# KiCad board CawDrive_panel.kicad_pcb (continued)
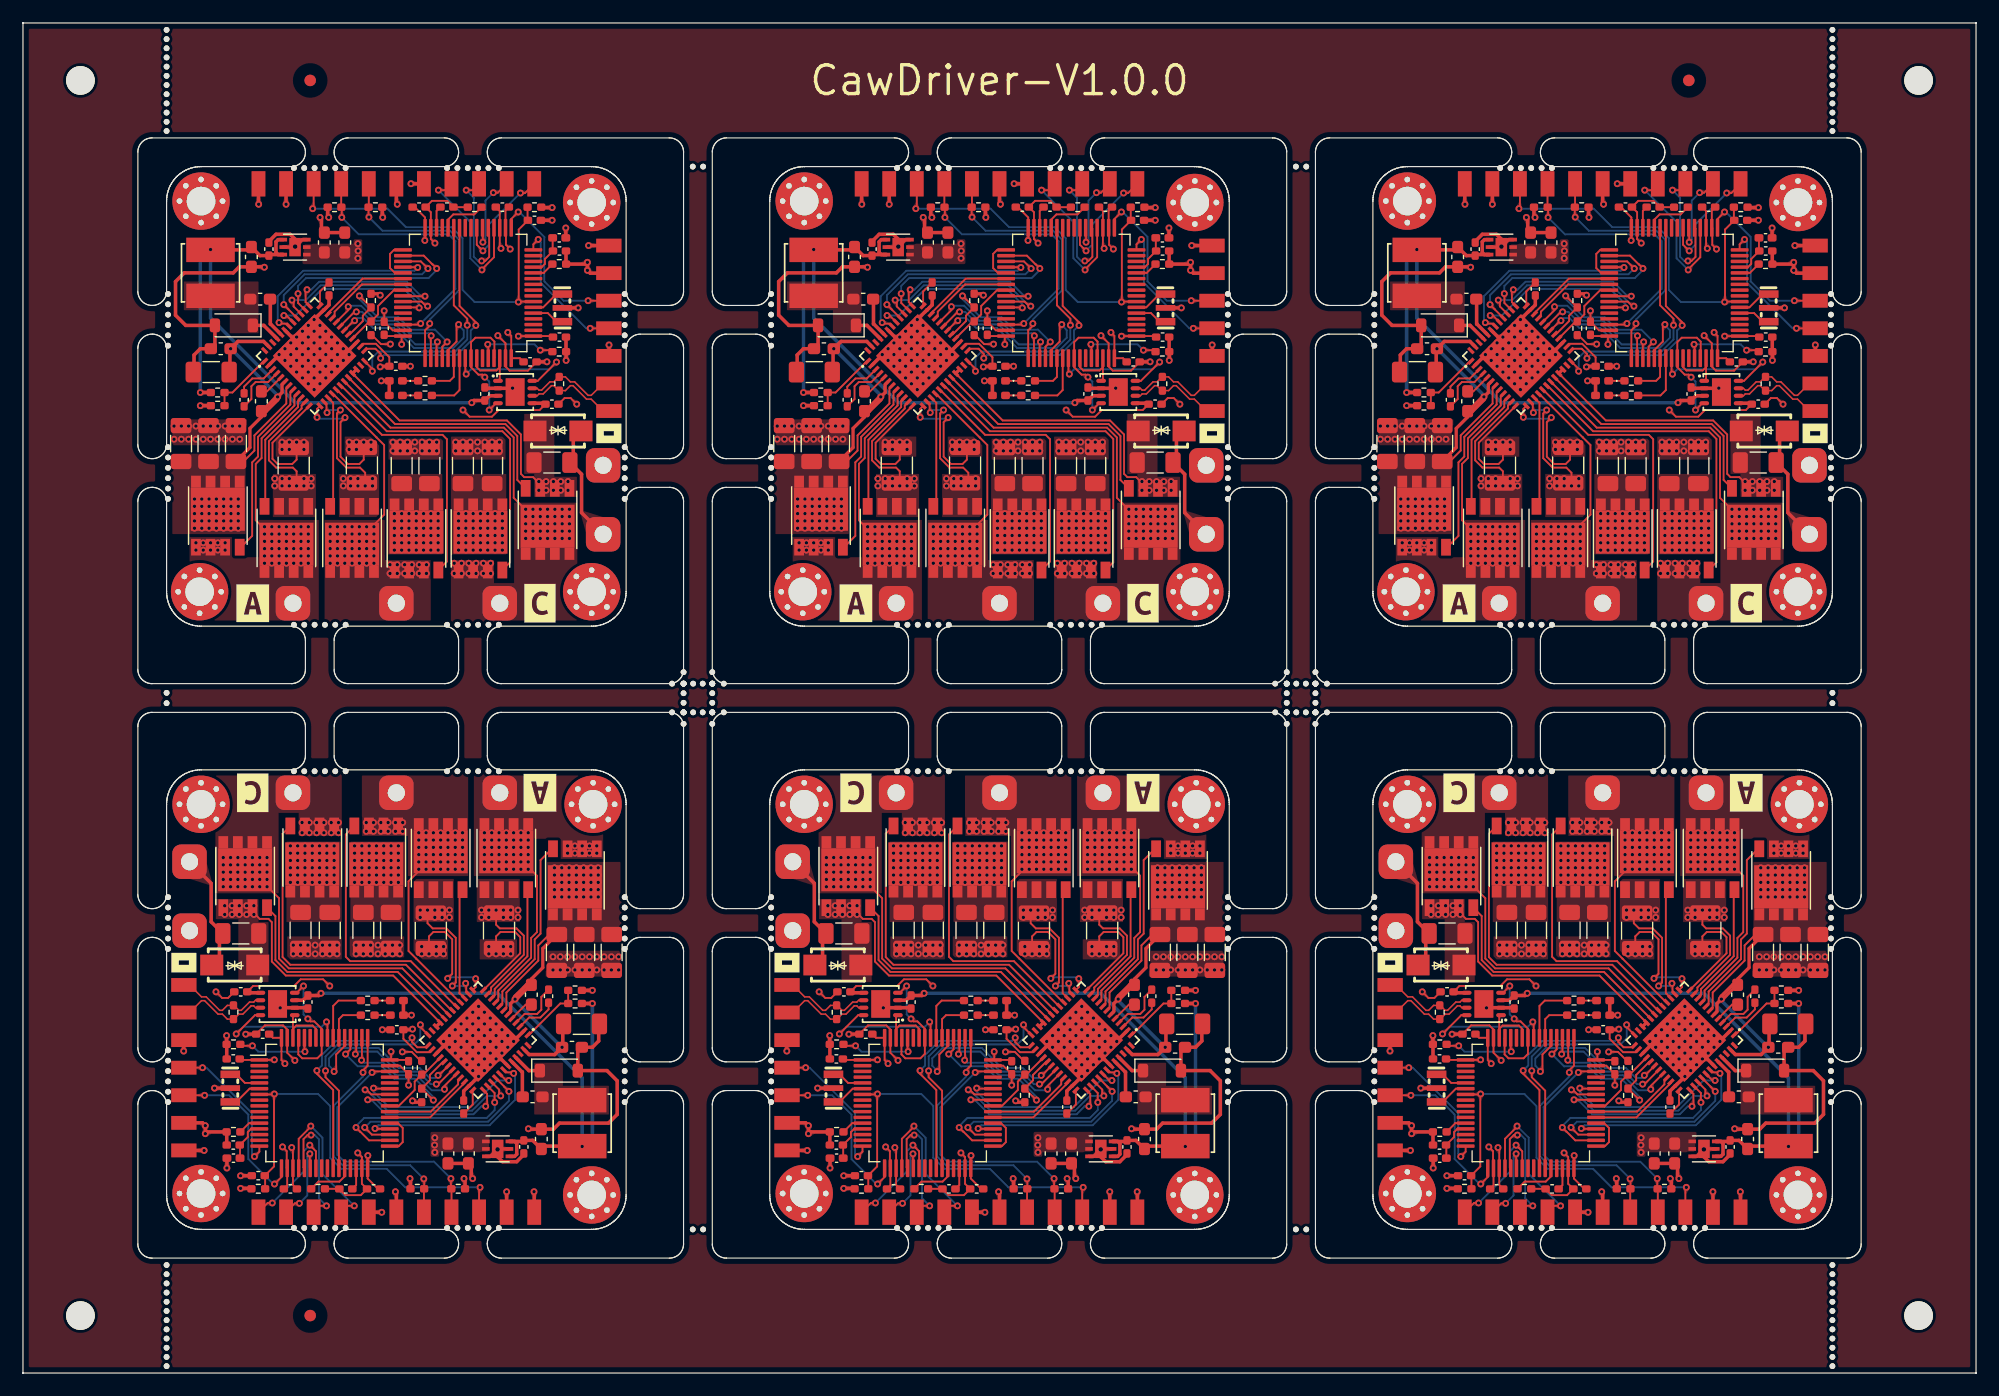
[diagram p0: board, top side]
## Placement (name value [footprint] x y rotation side) (continued)
R16#4  10k  [R_0402_1005Metric_Pad0.72x0.64mm_HandSolder]  34.7 24.16 90 top
R16#5  10k  [R_0402_1005Metric_Pad0.72x0.64mm_HandSolder]  82.79 93.34 270 top
R16#6  10k  [R_0402_1005Metric_Pad0.72x0.64mm_HandSolder]  135.29 93.34 270 top
R17  10k  [R_0402_1005Metric_Pad0.72x0.64mm_HandSolder]  30.3 90.93 90 top
R17#2  10k  [R_0402_1005Metric_Pad0.72x0.64mm_HandSolder]  87.21 26.57 270 top
R17#3  10k  [R_0402_1005Metric_Pad0.72x0.64mm_HandSolder]  82.79 90.93 90 top
R17#4  10k  [R_0402_1005Metric_Pad0.72x0.64mm_HandSolder]  34.7 26.57 270 top
R17#5  10k  [R_0402_1005Metric_Pad0.72x0.64mm_HandSolder]  139.71 26.57 270 top
R17#6  10k  [R_0402_1005Metric_Pad0.72x0.64mm_HandSolder]  135.29 90.93 90 top
R18  1mΩ  [R_1210_3225Metric_Pad1.30x2.65mm_HandSolder]  23.56 78.99 90 top
R18#2  1mΩ  [R_1210_3225Metric_Pad1.30x2.65mm_HandSolder]  146.44 38.51 270 top
R18#3  1mΩ  [R_1210_3225Metric_Pad1.30x2.65mm_HandSolder]  93.94 38.51 270 top
R18#4  1mΩ  [R_1210_3225Metric_Pad1.30x2.65mm_HandSolder]  41.44 38.51 270 top
R18#5  1mΩ  [R_1210_3225Metric_Pad1.30x2.65mm_HandSolder]  128.56 78.99 90 top
R18#6  1mΩ  [R_1210_3225Metric_Pad1.30x2.65mm_HandSolder]  76.06 78.99 90 top
R19  1mΩ  [R_1210_3225Metric_Pad1.30x2.65mm_HandSolder]  35.5 38.5 270 top
R19#2  1mΩ  [R_1210_3225Metric_Pad1.30x2.65mm_HandSolder]  29.5 79 90 top
R19#3  1mΩ  [R_1210_3225Metric_Pad1.30x2.65mm_HandSolder]  82 79 90 top
R19#4  1mΩ  [R_1210_3225Metric_Pad1.30x2.65mm_HandSolder]  134.5 79 90 top
R19#5  1mΩ  [R_1210_3225Metric_Pad1.30x2.65mm_HandSolder]  140.5 38.5 270 top
R19#6  1mΩ  [R_1210_3225Metric_Pad1.30x2.65mm_HandSolder]  88 38.5 270 top
TV1  SMAJ36CA/TR13  [SMAJ36CA_TR13_SMA(DO-214AC)]  18.43 35.51 0 top
TV1#2  SMAJ36CA/TR13  [SMAJ36CA_TR13_SMA(DO-214AC)]  70.93 35.51 0 top
TV1#3  SMAJ36CA/TR13  [SMAJ36CA_TR13_SMA(DO-214AC)]  123.43 35.51 0 top
TV1#4  SMAJ36CA/TR13  [SMAJ36CA_TR13_SMA(DO-214AC)]  99.07 81.99 180 top
TV1#5  SMAJ36CA/TR13  [SMAJ36CA_TR13_SMA(DO-214AC)]  151.57 81.99 180 top
TV1#6  SMAJ36CA/TR13  [SMAJ36CA_TR13_SMA(DO-214AC)]  46.57 81.99 180 top
U1  STM32F446RETx  [LQFP-64_10x10mm_P0.5mm]  26.25 23.5 0 top
U1#2  STM32F446RETx  [LQFP-64_10x10mm_P0.5mm]  91.25 94 180 top
U1#3  STM32F446RETx  [LQFP-64_10x10mm_P0.5mm]  38.75 94 180 top
U1#4  STM32F446RETx  [LQFP-64_10x10mm_P0.5mm]  143.75 94 180 top
U1#5  STM32F446RETx  [LQFP-64_10x10mm_P0.5mm]  131.25 23.5 0 top
U1#6  STM32F446RETx  [LQFP-64_10x10mm_P0.5mm]  78.75 23.5 0 top
U2  TLV76733DRVR  [TLV76733DRVR_SON65P200X200X80-7N]  93.82 19.51 0 top
U2#2  TLV76733DRVR  [TLV76733DRVR_SON65P200X200X80-7N]  41.32 19.51 0 top
U2#3  TLV76733DRVR  [TLV76733DRVR_SON65P200X200X80-7N]  23.68 97.99 180 top
U2#4  TLV76733DRVR  [TLV76733DRVR_SON65P200X200X80-7N]  146.32 19.51 0 top
U2#5  TLV76733DRVR  [TLV76733DRVR_SON65P200X200X80-7N]  128.68 97.99 180 top
U2#6  TLV76733DRVR  [TLV76733DRVR_SON65P200X200X80-7N]  76.18 97.99 180 top
U3  TCAN1044DRBRQ1  [TCAN1044DRBRQ1_DFN-8_L3.0-W3.0-P0.65-TL-EP2.4]  127.16 32.12 180 top
U3#2  TCAN1044DRBRQ1  [TCAN1044DRBRQ1_DFN-8_L3.0-W3.0-P0.65-TL-EP2.4]  42.84 85.38 0 top
U3#3  TCAN1044DRBRQ1  [TCAN1044DRBRQ1_DFN-8_L3.0-W3.0-P0.65-TL-EP2.4]  147.84 85.38 0 top
U3#4  TCAN1044DRBRQ1  [TCAN1044DRBRQ1_DFN-8_L3.0-W3.0-P0.65-TL-EP2.4]  95.34 85.38 0 top
U3#5  TCAN1044DRBRQ1  [TCAN1044DRBRQ1_DFN-8_L3.0-W3.0-P0.65-TL-EP2.4]  22.16 32.12 180 top
U3#6  TCAN1044DRBRQ1  [TCAN1044DRBRQ1_DFN-8_L3.0-W3.0-P0.65-TL-EP2.4]  74.66 32.12 180 top
U5  DRV8323RSRGZR  [DRV8323RS_QFN-48-EP(7x7)]  92.11 28.97 225 top
U5#2  DRV8323RSRGZR  [DRV8323RS_QFN-48-EP(7x7)]  25.39 88.53 45 top
U5#3  DRV8323RSRGZR  [DRV8323RS_QFN-48-EP(7x7)]  130.39 88.53 45 top
U5#4  DRV8323RSRGZR  [DRV8323RS_QFN-48-EP(7x7)]  144.61 28.97 225 top
U5#5  DRV8323RSRGZR  [DRV8323RS_QFN-48-EP(7x7)]  39.61 28.97 225 top
U5#6  DRV8323RSRGZR  [DRV8323RS_QFN-48-EP(7x7)]  77.89 88.53 45 top
X1  Crystal_16MHz_15pF_3P  [Crystal_SMD3213-3P]  46.95 92.7 90 top
X1#2  Crystal_16MHz_15pF_3P  [Crystal_SMD3213-3P]  123.05 24.8 270 top
X1#3  Crystal_16MHz_15pF_3P  [Crystal_SMD3213-3P]  151.95 92.7 90 top
X1#4  Crystal_16MHz_15pF_3P  [Crystal_SMD3213-3P]  18.05 24.8 270 top
X1#5  Crystal_16MHz_15pF_3P  [Crystal_SMD3213-3P]  99.45 92.7 90 top
X1#6  Crystal_16MHz_15pF_3P  [Crystal_SMD3213-3P]  70.55 24.8 270 top

## Library data of the parts
C1 C1#2-C1#6 C2 C2#2-C2#6 C3 C3#2-C3#6 C4 C4#2-C4#6 C5 C5#2-C5#6 C6 C6#2-C6#6 C7 C7#2-C7#6 C8 C8#2-C8#6 C9 C9#2-C9#6 C12 C12#2-C12#6 C14 C14#2-C14#6 C15 C15#2-C15#6 C16 C16#2-C16#6 C20 C20#2-C20#6 C21 C21#2-C21#6 C22 C22#2-C22#6 C23 C23#2-C23#6 C24 C24#2-C24#6 C25 C25#2-C25#6 C26 C26#2-C26#6 C27 C27#2-C27#6 C28 C28#2-C28#6 C29 C29#2-C29#6 C30 C30#2-C30#6 C31 C31#2-C31#6 C32 C32#2-C32#6 C33 C33#2-C33#6 C34 C34#2-C34#6 C35 C35#2-C35#6 = -: Description: Unpolarized capacitor, small symbol
D1 D1#2-D1#6 D2 D2#2-D2#6 = -: Description: Light emitting diode, small symbol
D3 D3#2-D3#6 = -: Description: Schottky diode, small symbol
H1 H1#2-H1#6 H2 H2#2-H2#6 H3 H3#2-H3#6 H4 H4#2-H4#6 H5 H5#2-H5#6 H6 H6#2-H6#6 H7 H7#2-H7#6 H8 H8#2-H8#6 H9 H9#2-H9#6 = -: Description: Mounting Hole with connection
J1 J1#2-J1#6 = -: Description: Generic connector, single row, 01x11, script generated
J4 J4#2-J4#6 = -: Description: Generic connector, single row, 01x07, script generated
L1 L1#2-L1#6 = -: Description: Inductor, small symbol
L2 L2#2-L2#6 = -: SuppliersPartNumber: C237425; uuid: std:9caca48dd7bd45d6994f62ce2fbe7de4
Q7 Q7#2-Q7#6 Q8 Q8#2-Q8#6 Q9 Q9#2-Q9#6 Q10 Q10#2-Q10#6 Q11 Q11#2-Q11#6 Q12 Q12#2-Q12#6 = -: SuppliersPartNumber: C141553; uuid: std:6bb27363c8dc477f98ec1e8bba0c8153
R1 R1#2-R1#6 R2 R2#2-R2#6 R3 R3#2-R3#6 R5 R5#2-R5#6 R6 R6#2-R6#6 R8 R8#2-R8#6 R9 R9#2-R9#6 R10 R10#2-R10#6 R11 R11#2-R11#6 R13 R13#2-R13#6 R14 R14#2-R14#6 R16 R16#2-R16#6 R17 R17#2-R17#6 R18 R18#2-R18#6 R19 R19#2-R19#6 = -: Description: Resistor, small symbol
TV1 TV1#2-TV1#6 = -: JLC Part Number: C87270; JLC URL: https://item.szlcsc.com/88448.html; Manufacturer: Brightking; SuppliersPartNumber: C87270; uuid: pro:04d0c48fad79448b93227f7fe67c94ea
U1 U1#2-U1#6 = -: Description: STMicroelectronics Arm Cortex-M4 MCU, 512KB flash, 128KB RAM, 180 MHz, 1.8-3.6V, 50 GPIO, LQFP64
U2 U2#2-U2#6 = -: Description: Adjustable- and fixed-output, 1-A, 16-V, positive-voltage low-dropout (LDO) linear regulator; Availability: In Stock; Check_prices: https://www.snapeda.com/parts/TLV76733DRVR/Texas+Instruments/view-part/?ref=eda; MF: Texas Instruments; Package: WSON-6 Texas Instruments; Price: None; Purchase-URL: https://www.snapeda.com/api/url_track_click_mouser/?unipart_id=3657494&manufacturer=Texas Instruments&part_name=TLV76733DRVR&search_term=tlv76733drvr; SnapEDA_Link: https://www.snapeda.com/parts/TLV76733DRVR/Texas+Instruments/view-part/?ref=snap
U3 U3#2-U3#6 = -: SuppliersPartNumber: C3234120; uuid: std:57f587643297422893049129db506a43
U5 U5#2-U5#6 = -: JLC Part Number: C545497; JLC URL: https://item.szlcsc.com/566453.html; Manufacturer: TI; SuppliersPartNumber: C545497; uuid: std:9246a3cfbad349459b18dc55fa653e78
X1 X1#2-X1#6 = -: JLC Part Number: C341521; JLC URL: https://item.szlcsc.com/318913.html; Manufacturer: muRata; Manufacturer Product Number: CSTNE16M0V530000R0; SuppliersPartNumber: C341521; uuid: std:1df7711bb7514091887d101c9f54bf51

## Footprints (pads in the part's own frame, mm; a bottom-side part is the same pattern mirrored in y, then rotated)
C_0402_1005Metric_Pad0.74x0.62mm_HandSolder
  rrect 0.735x0.62 smd: 1(-0.568,0) 2(0.568,0)
C_0603_1608Metric_Pad1.08x0.95mm_HandSolder
  rrect 1.075x0.95 smd: 1(-0.863,0) 2(0.863,0)
C_1206_3216Metric_Pad1.33x1.80mm_HandSolder
  rrect 1.325x1.8 smd: 1(-1.562,0) 2(1.562,0)
Crystal_SMD3213-3P
  rect 0.65x1.7 smd: 1(-1.2,0) 3(1.2,0)
  rect 0.5x1.7 smd: 2(0,0)
D_SOD-123
  rrect 0.9x1.2 smd: 1(-1.65,0) 2(1.65,0)
DRV8323RS_QFN-48-EP(7x7)
  rect 0.665x0.28 smd: 1(-3.407,2.75) 2(-3.407,2.25) 3(-3.407,1.75) 4(-3.407,1.25) 5(-3.407,0.75) 6(-3.407,0.25) 7(-3.407,-0.25) 8(-3.407,-0.75) 9(-3.407,-1.25) 10(-3.407,-1.75) 11(-3.407,-2.25) 12(-3.407,-2.75) 25(3.407,-2.75) 26(3.407,-2.25) 27(3.407,-1.75) 28(3.407,-1.25) 29(3.407,-0.75) 30(3.407,-0.25) 31(3.407,0.25) 32(3.407,0.75) 33(3.407,1.25) 34(3.407,1.75) 35(3.407,2.25) 36(3.407,2.75)
  rect 0.28x0.665 smd: 13(-2.75,-3.407) 14(-2.25,-3.407) 15(-1.75,-3.407) 16(-1.25,-3.407) 17(-0.75,-3.407) 18(-0.25,-3.407) 19(0.25,-3.407) 20(0.75,-3.407) 21(1.25,-3.407) 22(1.75,-3.407) 23(2.25,-3.407) 24(2.75,-3.407) 37(2.75,3.407) 38(2.25,3.407) 39(1.75,3.407) 40(1.25,3.407) 41(0.75,3.407) 42(0.25,3.407) 43(-0.25,3.407) 44(-0.75,3.407) 45(-1.25,3.407) 46(-1.75,3.407) 47(-2.25,3.407) 48(-2.75,3.407)
  rect 5.15x5.15 smd: 49(0,0)
Fiducial
  round 1 smd: (0,0)
L_0402_1005Metric_Pad0.77x0.64mm_HandSolder
  rrect 0.765x0.64 smd: 1(-0.573,0) 2(0.573,0)
LED_0402_1005Metric_Pad0.77x0.64mm_HandSolder
  rrect 0.765x0.64 smd: 1(-0.573,0) 2(0.573,0)
LQFP-64_10x10mm_P0.5mm
  rrect 1.55x0.3 smd: 1(-5.675,3.75) 2(-5.675,3.25) 3(-5.675,2.75) 4(-5.675,2.25) 5(-5.675,1.75) 6(-5.675,1.25) 7(-5.675,0.75) 8(-5.675,0.25) 9(-5.675,-0.25) 10(-5.675,-0.75) 11(-5.675,-1.25) 12(-5.675,-1.75) 13(-5.675,-2.25) 14(-5.675,-2.75) 15(-5.675,-3.25) 16(-5.675,-3.75) 33(5.675,-3.75) 34(5.675,-3.25) 35(5.675,-2.75) 36(5.675,-2.25) 37(5.675,-1.75) 38(5.675,-1.25) 39(5.675,-0.75) 40(5.675,-0.25) 41(5.675,0.25) 42(5.675,0.75) 43(5.675,1.25) 44(5.675,1.75) 45(5.675,2.25) 46(5.675,2.75) 47(5.675,3.25) 48(5.675,3.75)
  rrect 0.3x1.55 smd: 17(-3.75,-5.675) 18(-3.25,-5.675) 19(-2.75,-5.675) 20(-2.25,-5.675) 21(-1.75,-5.675) 22(-1.25,-5.675) 23(-0.75,-5.675) 24(-0.25,-5.675) 25(0.25,-5.675) 26(0.75,-5.675) 27(1.25,-5.675) 28(1.75,-5.675) 29(2.25,-5.675) 30(2.75,-5.675) 31(3.25,-5.675) 32(3.75,-5.675) 49(3.75,5.675) 50(3.25,5.675) 51(2.75,5.675) 52(2.25,5.675) 53(1.75,5.675) 54(1.25,5.675) 55(0.75,5.675) 56(0.25,5.675) 57(-0.25,5.675) 58(-0.75,5.675) 59(-1.25,5.675) 60(-1.75,5.675) 61(-2.25,5.675) 62(-2.75,5.675) 63(-3.25,5.675) 64(-3.75,5.675)
LQH5BPB220MT0L_IND-SMD_L5.0-W5.0
  rect 2.124x4.22 smd: 1(2,0) 2(-2,0)
MountingHole_2.5mm_Pad_Via
  round 0.8 hole 0.5: 1(-1.875,0) 1(-1.326,1.326) 1(-1.326,-1.326) 1(0,1.875) 1(0,-1.875) 1(1.326,1.326) 1(1.326,-1.326) 1(1.875,0)
  round 5 hole 2.5: 1(0,0)
NPTH
  round 0.5 hole 0.5 unplated: (0,0)
NPTH#2
  round 2.5 hole 2.5 unplated: (0,0)
POWER_PAD
  rrect 3x3 hole 1.5: 1(0,0)
R_0402_1005Metric_Pad0.72x0.64mm_HandSolder
  rrect 0.715x0.64 smd: 1(-0.598,0) 2(0.598,0)
R_1210_3225Metric_Pad1.30x2.65mm_HandSolder
  rrect 1.3x2.65 smd: 1(-1.55,0) 2(1.55,0)
SMAJ36CA_TR13_SMA(DO-214AC)
  rect 2x1.8 smd: 1(-2,0) 2(2,0)
SOIC-7
  rect 1.2x2.2 smd: 1(-7.2,0) 2(-4.8,0) 3(-2.4,0) 4(0,0) 5(2.4,0) 6(4.8,0) 7(7.2,0)
SOIC-11
  rect 1.2x2.2 smd: 1(-12,0) 2(-9.6,0) 3(-7.2,0) 4(-4.8,0) 5(-2.4,0) 6(0,0) 7(2.4,0) 8(4.8,0) 9(7.2,0) 10(9.6,0) 11(12,0)
TCAN1044DRBRQ1_DFN-8_L3.0-W3.0-P0.65-TL-EP2.4
  oval 0.84x0.35 smd: 1(-1.495,0.975) 2(-1.495,0.325) 3(-1.495,-0.325) 4(-1.495,-0.975) 5(1.495,-0.975) 6(1.495,-0.325) 7(1.495,0.325) 8(1.495,0.975)
  rect 1.65x2.4 smd: 9(0,0)
TLV76733DRVR_SON65P200X200X80-7N
  rect 0.66x0.32 smd: 1(-1.025,0.65) 2(-1.025,0) 3(-1.025,-0.65) 4(1.025,-0.65) 5(1.025,0) 6(1.025,0.65)
  rect 1x1.6 smd: 7(0,0)
TPHR8504PL,L1Q
  rect 1.45x0.85 smd: 1(-2.75,1.905) 2(-2.75,0.635) 3(-2.75,-0.635) 4(-2.75,-1.905)
  rect 1.05x0.85 smd: 5(2.95,-1.905) 6(2.95,-0.635) 7(2.95,0.635) 8(2.95,1.905)
  rect 3.75x4.7 smd: 9(0.55,0)

## Nets
Board_0-+3.3V: C2.1 C3.1 C4#5.1 C5#5.1 C6.1 C9#5.2 C32#3.1 C34#2.1 C35#4.1 D1#2.2 D2#5.2 J1#6.1 J1#6.6 J4#3.1 L1#3.1 R5#3.2 R10#2.1 R16#3.1 R17.1 U1#3.1 U1#3.19 U1#3.32 U1#3.48 U1#3.64 U2#3.1 U2#3.2 U3#2.5 U5#2.26
Board_0-+3.3VA: C8#3.1 L1#3.2 U1#3.13
Board_0-+5V: C7.1 C12#3.2 C16#4.1 L2#6.2 R13#5.1 U2#3.4 U2#3.6 U3#2.3
Board_0-+36V: C20#2.1 C21#6.1 C22#2.1 C23#4.1 C24#5.1 C25#3.1 C26#6.1 C28#6.1 C29#4.1 C30.1 C33.1 H9#4.1 Q7#3.5 Q7#3.6 Q7#3.7 Q7#3.8 Q7#3.9 Q9#4.5 Q9#4.6 Q9#4.7 Q9#4.8 Q9#4.9 Q11#4.5 Q11#4.6 Q11#4.7 Q11#4.8 Q11#4.9 TV1#6.1 U5#2.6 U5#2.7 U5#2.47
Board_0-/ADC1_IN8: U1#3.26 U5#2.25
Board_0-/ADC1_IN9: U1#3.27 U5#2.24
Board_0-/CAN_N: J4#3.7 R8#3.1 U3#2.6
Board_0-/CAN_P: J4#3.6 R8#3.2 U3#2.7
Board_0-/CAN_RX: U1#3.57 U1#3.61 U3#2.4
Board_0-/CAN_STB: U1#3.56 U3#2.8
Board_0-/CAN_TX: U1#3.58 U1#3.62 U3#2.1
Board_0-/DRV8323RSRGZR/CB: C15#6.1 U5#2.44
Board_0-/DRV8323RSRGZR/FB: R13#5.2 R14#4.1 U5#2.1
Board_0-/DRV8323RSRGZR/GHA: Q7#3.4 U5#2.8
Board_0-/DRV8323RSRGZR/GHB: Q9#4.4 U5#2.17
Board_0-/DRV8323RSRGZR/GHC: Q11#4.4 U5#2.18
Board_0-/DRV8323RSRGZR/GLA: Q8#6.4 U5#2.10
Board_0-/DRV8323RSRGZR/GLB: Q10#3.4 U5#2.15
Board_0-/DRV8323RSRGZR/GLC: Q12#5.4 U5#2.20
Board_0-/DRV8323RSRGZR/PHASA: H5#3.1 Q7#3.1 Q7#3.2 Q7#3.3 Q8#6.5 Q8#6.6 Q8#6.7 Q8#6.8 Q8#6.9 U5#2.9
Board_0-/DRV8323RSRGZR/PHASB: H6#2.1 Q9#4.1 Q9#4.2 Q9#4.3 Q10#3.5 Q10#3.6 Q10#3.7 Q10#3.8 Q10#3.9 U5#2.16
Board_0-/DRV8323RSRGZR/PHASC: H7#5.1 Q11#4.1 Q11#4.2 Q11#4.3 Q12#5.5 Q12#5.6 Q12#5.7 Q12#5.8 Q12#5.9 U5#2.19
Board_0-/DRV8323RSRGZR/SPA: Q8#6.1 Q8#6.2 Q8#6.3 R18.1 U5#2.11
Board_0-/DRV8323RSRGZR/SPB: Q10#3.1 Q10#3.2 Q10#3.3 R19#2.1 U5#2.14
Board_0-/DRV8323RSRGZR/SW: C15#6.2 D3#6.1 L2#6.1 U5#2.45
Board_0-/DRV_CAL: U1#3.38 U5#2.34
Board_0-/DRV_ENABLE: U1#3.39 U5#2.33
Board_0-/DRV_FAULT: R17.2 U1#3.40 U5#2.28
Board_0-/DRV_STA: R11#6.2 U1#3.55
Board_0-/HSE_IN: U1#3.5 X1.1
Board_0-/HSE_OUT: U1#3.6 X1.3
Board_0-/MCU_STA: R9#2.2 U1#3.54
Board_0-/RESET: C14.1 J1#6.3 R10#2.2 U1#3.7
Board_0-/SPI1_MISO: J1#6.10 U1#3.22
Board_0-/SPI1_MOSI: J1#6.11 U1#3.23
Board_0-/SPI1_NSS: J1#6.8 U1#3.20
Board_0-/SPI1_SCK: J1#6.9 U1#3.21
Board_0-/SPI3_MISO: R16#3.2 U1#3.52 U5#2.29
Board_0-/SPI3_MOSI: U1#3.53 U5#2.30
Board_0-/SPI3_NSS: U1#3.50 U5#2.32
Board_0-/SPI3_SCK: U1#3.51 U5#2.31
Board_0-/SWCLK: J1#6.5 R6#2.1 U1#3.49
Board_0-/SWDIO: J1#6.4 R5#3.1 U1#3.46
Board_0-/TIM1_BKIN: U1#3.33 U1#3.37
Board_0-/TIM1_PWM_CH1: U1#3.41 U5#2.37
Board_0-/TIM1_PWM_CH1N: U1#3.34 U5#2.38
Board_0-/TIM1_PWM_CH2: U1#3.42 U5#2.39
Board_0-/TIM1_PWM_CH2N: U1#3.35 U5#2.40
Board_0-/TIM1_PWM_CH3: U1#3.43 U5#2.41
Board_0-/TIM1_PWM_CH3N: U1#3.36 U5#2.42
Board_0-/USART2_RX: J4#3.3 U1#3.17
Board_0-/USART2_TX: J4#3.4 U1#3.16
Board_0-GND: C1#6.2 C2.2 C3.2 C4#5.2 C5#5.2 C6.2 C7.2 C8#3.2 C9#5.1 C12#3.1 C14.2 C16#4.2 C20#2.2 C21#6.2 C22#2.2 C23#4.2 C24#5.2 C25#3.2 C26#6.2 C29#4.2 C30.2 C31#4.2 C32#3.2 C33.2 C34#2.2 C35#4.2 D3#6.2 H8#3.1 J1#6.2 J1#6.7 J4#3.2 J4#3.5 Q12#5.1 Q12#5.2 Q12#5.3 R1#2.1 R2#2.2 R3#4.2 R6#2.2 R14#4.2 R18.2 R19#2.2 TV1#6.2 U1#3.18 U1#3.31 U1#3.47 U1#3.63 U2#3.3 U2#3.5 U2#3.7 U3#2.2 U3#2.9 U5#2.2 U5#2.12 U5#2.13 U5#2.21 U5#2.22 U5#2.27 U5#2.35 U5#2.43 U5#2.49 X1.2
Board_0-Net-(D1-K): D1#2.1 R9#2.1
Board_0-Net-(D2-K): D2#5.1 R11#6.1
Board_0-Net-(U1-BOOT0): R1#2.2 U1#3.60
Board_0-Net-(U1-PB2): R3#4.1 U1#3.28
Board_0-Net-(U1-VCAP_1): C1#6.1 U1#3.30
Board_0-Net-(U1-VSSA): R2#2.1 U1#3.12
Board_0-Net-(U5-CPH): C27#5.2 U5#2.4
Board_0-Net-(U5-CPL): C27#5.1 U5#2.3
Board_0-Net-(U5-DVDD): C31#4.1 U5#2.36
Board_0-Net-(U5-VCP): C28#6.2 U5#2.5
Board_0-unconnected-(H1-Pad1): H1#6.1
Board_0-unconnected-(H2-Pad1): H2#4.1
Board_0-unconnected-(H3-Pad1): H3#6.1
Board_0-unconnected-(H4-Pad1): H4#3.1
Board_0-unconnected-(U1-PA0-Pad14): U1#3.14
Board_0-unconnected-(U1-PA1-Pad15): U1#3.15
Board_0-unconnected-(U1-PA11-Pad44): U1#3.44
Board_0-unconnected-(U1-PA12-Pad45): U1#3.45
Board_0-unconnected-(U1-PB7-Pad59): U1#3.59
Board_0-unconnected-(U1-PB10-Pad29): U1#3.29
Board_0-unconnected-(U1-PC0-Pad8): U1#3.8
Board_0-unconnected-(U1-PC1-Pad9): U1#3.9
Board_0-unconnected-(U1-PC2-Pad10): U1#3.10
Board_0-unconnected-(U1-PC3-Pad11): U1#3.11
Board_0-unconnected-(U1-PC4-Pad24): U1#3.24
Board_0-unconnected-(U1-PC5-Pad25): U1#3.25
Board_0-unconnected-(U1-PC13-Pad2): U1#3.2
Board_0-unconnected-(U1-PC14-Pad3): U1#3.3
Board_0-unconnected-(U1-PC15-Pad4): U1#3.4
Board_0-unconnected-(U5-NC-Pad46): U5#2.46
Board_0-unconnected-(U5-nSHDN-Pad48): U5#2.48
Board_0-unconnected-(U5-SOC-Pad23): U5#2.23
Board_1-+3.3V: C2#5.1 C3#3.1 C4.1 C5#2.1 C6#4.1 C9#4.2 C32.1 C34#6.1 C35#3.1 D1#5.2 D2#2.2 J1#4.1 J1#4.6 J4.1 L1.1 R5#4.2 R10.1 R16#5.1 R17#3.1 U1#2.1 U1#2.19 U1#2.32 U1#2.48 U1#2.64 U2#6.1 U2#6.2 U3#4.5 U5#6.26
Board_1-+3.3VA: C8#5.1 L1.2 U1#2.13
Board_1-+5V: C7#5.1 C12#5.2 C16#6.1 L2#2.2 R13#2.1 U2#6.4 U2#6.6 U3#4.3
Board_1-+36V: C20#3.1 C21#4.1 C22#5.1 C23#2.1 C24.1 C25#2.1 C26#2.1 C28#5.1 C29#5.1 C30#6.1 C33#3.1 H9#5.1 Q7.5 Q7.6 Q7.7 Q7.8 Q7.9 Q9#3.5 Q9#3.6 Q9#3.7 Q9#3.8 Q9#3.9 Q11#6.5 Q11#6.6 Q11#6.7 Q11#6.8 Q11#6.9 TV1#4.1 U5#6.6 U5#6.7 U5#6.47
Board_1-/ADC1_IN8: U1#2.26 U5#6.25
Board_1-/ADC1_IN9: U1#2.27 U5#6.24
Board_1-/CAN_N: J4.7 R8.1 U3#4.6
Board_1-/CAN_P: J4.6 R8.2 U3#4.7
Board_1-/CAN_RX: U1#2.57 U1#2.61 U3#4.4
Board_1-/CAN_STB: U1#2.56 U3#4.8
Board_1-/CAN_TX: U1#2.58 U1#2.62 U3#4.1
Board_1-/DRV8323RSRGZR/CB: C15#3.1 U5#6.44
Board_1-/DRV8323RSRGZR/FB: R13#2.2 R14#5.1 U5#6.1
Board_1-/DRV8323RSRGZR/GHA: Q7.4 U5#6.8
Board_1-/DRV8323RSRGZR/GHB: Q9#3.4 U5#6.17
Board_1-/DRV8323RSRGZR/GHC: Q11#6.4 U5#6.18
Board_1-/DRV8323RSRGZR/GLA: Q8#4.4 U5#6.10
Board_1-/DRV8323RSRGZR/GLB: Q10.4 U5#6.15
Board_1-/DRV8323RSRGZR/GLC: Q12#6.4 U5#6.20
Board_1-/DRV8323RSRGZR/PHASA: H5#2.1 Q7.1 Q7.2 Q7.3 Q8#4.5 Q8#4.6 Q8#4.7 Q8#4.8 Q8#4.9 U5#6.9
Board_1-/DRV8323RSRGZR/PHASB: H6#6.1 Q9#3.1 Q9#3.2 Q9#3.3 Q10.5 Q10.6 Q10.7 Q10.8 Q10.9 U5#6.16
Board_1-/DRV8323RSRGZR/PHASC: H7#2.1 Q11#6.1 Q11#6.2 Q11#6.3 Q12#6.5 Q12#6.6 Q12#6.7 Q12#6.8 Q12#6.9 U5#6.19
Board_1-/DRV8323RSRGZR/SPA: Q8#4.1 Q8#4.2 Q8#4.3 R18#6.1 U5#6.11
Board_1-/DRV8323RSRGZR/SPB: Q10.1 Q10.2 Q10.3 R19#3.1 U5#6.14
Board_1-/DRV8323RSRGZR/SW: C15#3.2 D3#5.1 L2#2.1 U5#6.45
Board_1-/DRV_CAL: U1#2.38 U5#6.34
Board_1-/DRV_ENABLE: U1#2.39 U5#6.33
Board_1-/DRV_FAULT: R17#3.2 U1#2.40 U5#6.28
Board_1-/DRV_STA: R11.2 U1#2.55
Board_1-/HSE_IN: U1#2.5 X1#5.1
Board_1-/HSE_OUT: U1#2.6 X1#5.3
Board_1-/MCU_STA: R9.2 U1#2.54
Board_1-/RESET: C14#4.1 J1#4.3 R10.2 U1#2.7
Board_1-/SPI1_MISO: J1#4.10 U1#2.22
Board_1-/SPI1_MOSI: J1#4.11 U1#2.23
Board_1-/SPI1_NSS: J1#4.8 U1#2.20
Board_1-/SPI1_SCK: J1#4.9 U1#2.21
Board_1-/SPI3_MISO: R16#5.2 U1#2.52 U5#6.29
Board_1-/SPI3_MOSI: U1#2.53 U5#6.30
Board_1-/SPI3_NSS: U1#2.50 U5#6.32
Board_1-/SPI3_SCK: U1#2.51 U5#6.31
Board_1-/SWCLK: J1#4.5 R6#6.1 U1#2.49
Board_1-/SWDIO: J1#4.4 R5#4.1 U1#2.46
Board_1-/TIM1_BKIN: U1#2.33 U1#2.37
Board_1-/TIM1_PWM_CH1: U1#2.41 U5#6.37
Board_1-/TIM1_PWM_CH1N: U1#2.34 U5#6.38
Board_1-/TIM1_PWM_CH2: U1#2.42 U5#6.39
Board_1-/TIM1_PWM_CH2N: U1#2.35 U5#6.40
Board_1-/TIM1_PWM_CH3: U1#2.43 U5#6.41
Board_1-/TIM1_PWM_CH3N: U1#2.36 U5#6.42
Board_1-/USART2_RX: J4.3 U1#2.17
Board_1-/USART2_TX: J4.4 U1#2.16
Board_1-GND: C1#5.2 C2#5.2 C3#3.2 C4.2 C5#2.2 C6#4.2 C7#5.2 C8#5.2 C9#4.1 C12#5.1 C14#4.2 C16#6.2 C20#3.2 C21#4.2 C22#5.2 C23#2.2 C24.2 C25#2.2 C26#2.2 C29#5.2 C30#6.2 C31#5.2 C32.2 C33#3.2 C34#6.2 C35#3.2 D3#5.2 H8#4.1 J1#4.2 J1#4.7 J4.2 J4.5 Q12#6.1 Q12#6.2 Q12#6.3 R1#3.1 R2#5.2 R3.2 R6#6.2 R14#5.2 R18#6.2 R19#3.2 TV1#4.2 U1#2.18 U1#2.31 U1#2.47 U1#2.63 U2#6.3 U2#6.5 U2#6.7 U3#4.2 U3#4.9 U5#6.2 U5#6.12 U5#6.13 U5#6.21 U5#6.22 U5#6.27 U5#6.35 U5#6.43 U5#6.49 X1#5.2
Board_1-Net-(D1-K): D1#5.1 R9.1
Board_1-Net-(D2-K): D2#2.1 R11.1
Board_1-Net-(U1-BOOT0): R1#3.2 U1#2.60
Board_1-Net-(U1-PB2): R3.1 U1#2.28
Board_1-Net-(U1-VCAP_1): C1#5.1 U1#2.30
Board_1-Net-(U1-VSSA): R2#5.1 U1#2.12
Board_1-Net-(U5-CPH): C27#3.2 U5#6.4
Board_1-Net-(U5-CPL): C27#3.1 U5#6.3
Board_1-Net-(U5-DVDD): C31#5.1 U5#6.36
Board_1-Net-(U5-VCP): C28#5.2 U5#6.5
Board_1-unconnected-(H1-Pad1): H1#4.1
Board_1-unconnected-(H2-Pad1): H2#3.1
Board_1-unconnected-(H3-Pad1): H3#5.1
Board_1-unconnected-(H4-Pad1): H4#6.1
Board_1-unconnected-(U1-PA0-Pad14): U1#2.14
Board_1-unconnected-(U1-PA1-Pad15): U1#2.15
Board_1-unconnected-(U1-PA11-Pad44): U1#2.44
Board_1-unconnected-(U1-PA12-Pad45): U1#2.45
Board_1-unconnected-(U1-PB7-Pad59): U1#2.59
Board_1-unconnected-(U1-PB10-Pad29): U1#2.29
Board_1-unconnected-(U1-PC0-Pad8): U1#2.8
Board_1-unconnected-(U1-PC1-Pad9): U1#2.9
Board_1-unconnected-(U1-PC2-Pad10): U1#2.10
Board_1-unconnected-(U1-PC3-Pad11): U1#2.11
Board_1-unconnected-(U1-PC4-Pad24): U1#2.24
Board_1-unconnected-(U1-PC5-Pad25): U1#2.25
Board_1-unconnected-(U1-PC13-Pad2): U1#2.2
Board_1-unconnected-(U1-PC14-Pad3): U1#2.3
Board_1-unconnected-(U1-PC15-Pad4): U1#2.4
Board_1-unconnected-(U5-NC-Pad46): U5#6.46
Board_1-unconnected-(U5-nSHDN-Pad48): U5#6.48
Board_1-unconnected-(U5-SOC-Pad23): U5#6.23
Board_2-+3.3V: C2#4.1 C3#6.1 C4#3.1 C5#3.1 C6#5.1 C9.2 C32#2.1 C34.1 C35#6.1 D1.2 D2.2 J1#2.1 J1#2.6 J4#5.1 L1#5.1 R5#6.2 R10#3.1 R16#6.1 R17#6.1 U1#4.1 U1#4.19 U1#4.32 U1#4.48 U1#4.64 U2#5.1 U2#5.2 U3#3.5 U5#3.26
Board_2-+3.3VA: C8.1 L1#5.2 U1#4.13
Board_2-+5V: C7#3.1 C12#2.2 C16.1 L2.2 R13#6.1 U2#5.4 U2#5.6 U3#3.3
Board_2-+36V: C20#5.1 C21.1 C22#6.1 C23#5.1 C24#3.1 C25#6.1 C26.1 C28#2.1 C29#6.1 C30#5.1 C33#5.1 H9#6.1 Q7#5.5 Q7#5.6 Q7#5.7 Q7#5.8 Q7#5.9 Q9#5.5 Q9#5.6 Q9#5.7 Q9#5.8 Q9#5.9 Q11.5 Q11.6 Q11.7 Q11.8 Q11.9 TV1#5.1 U5#3.6 U5#3.7 U5#3.47
Board_2-/ADC1_IN8: U1#4.26 U5#3.25
Board_2-/ADC1_IN9: U1#4.27 U5#3.24
Board_2-/CAN_N: J4#5.7 R8#5.1 U3#3.6
Board_2-/CAN_P: J4#5.6 R8#5.2 U3#3.7
Board_2-/CAN_RX: U1#4.57 U1#4.61 U3#3.4
Board_2-/CAN_STB: U1#4.56 U3#3.8
Board_2-/CAN_TX: U1#4.58 U1#4.62 U3#3.1
Board_2-/DRV8323RSRGZR/CB: C15#2.1 U5#3.44
Board_2-/DRV8323RSRGZR/FB: R13#6.2 R14.1 U5#3.1
Board_2-/DRV8323RSRGZR/GHA: Q7#5.4 U5#3.8
Board_2-/DRV8323RSRGZR/GHB: Q9#5.4 U5#3.17
Board_2-/DRV8323RSRGZR/GHC: Q11.4 U5#3.18
Board_2-/DRV8323RSRGZR/GLA: Q8#3.4 U5#3.10
Board_2-/DRV8323RSRGZR/GLB: Q10#5.4 U5#3.15
Board_2-/DRV8323RSRGZR/GLC: Q12#4.4 U5#3.20
Board_2-/DRV8323RSRGZR/PHASA: H5.1 Q7#5.1 Q7#5.2 Q7#5.3 Q8#3.5 Q8#3.6 Q8#3.7 Q8#3.8 Q8#3.9 U5#3.9
Board_2-/DRV8323RSRGZR/PHASB: H6#4.1 Q9#5.1 Q9#5.2 Q9#5.3 Q10#5.5 Q10#5.6 Q10#5.7 Q10#5.8 Q10#5.9 U5#3.16
Board_2-/DRV8323RSRGZR/PHASC: H7.1 Q11.1 Q11.2 Q11.3 Q12#4.5 Q12#4.6 Q12#4.7 Q12#4.8 Q12#4.9 U5#3.19
Board_2-/DRV8323RSRGZR/SPA: Q8#3.1 Q8#3.2 Q8#3.3 R18#5.1 U5#3.11
Board_2-/DRV8323RSRGZR/SPB: Q10#5.1 Q10#5.2 Q10#5.3 R19#4.1 U5#3.14
Board_2-/DRV8323RSRGZR/SW: C15#2.2 D3#4.1 L2.1 U5#3.45
Board_2-/DRV_CAL: U1#4.38 U5#3.34
Board_2-/DRV_ENABLE: U1#4.39 U5#3.33
Board_2-/DRV_FAULT: R17#6.2 U1#4.40 U5#3.28
Board_2-/DRV_STA: R11#5.2 U1#4.55
Board_2-/HSE_IN: U1#4.5 X1#3.1
Board_2-/HSE_OUT: U1#4.6 X1#3.3
Board_2-/MCU_STA: R9#6.2 U1#4.54
Board_2-/RESET: C14#2.1 J1#2.3 R10#3.2 U1#4.7
Board_2-/SPI1_MISO: J1#2.10 U1#4.22
Board_2-/SPI1_MOSI: J1#2.11 U1#4.23
Board_2-/SPI1_NSS: J1#2.8 U1#4.20
Board_2-/SPI1_SCK: J1#2.9 U1#4.21
Board_2-/SPI3_MISO: R16#6.2 U1#4.52 U5#3.29
Board_2-/SPI3_MOSI: U1#4.53 U5#3.30
Board_2-/SPI3_NSS: U1#4.50 U5#3.32
Board_2-/SPI3_SCK: U1#4.51 U5#3.31
Board_2-/SWCLK: J1#2.5 R6#5.1 U1#4.49
Board_2-/SWDIO: J1#2.4 R5#6.1 U1#4.46
Board_2-/TIM1_BKIN: U1#4.33 U1#4.37
Board_2-/TIM1_PWM_CH1: U1#4.41 U5#3.37
Board_2-/TIM1_PWM_CH1N: U1#4.34 U5#3.38
Board_2-/TIM1_PWM_CH2: U1#4.42 U5#3.39
Board_2-/TIM1_PWM_CH2N: U1#4.35 U5#3.40
Board_2-/TIM1_PWM_CH3: U1#4.43 U5#3.41
Board_2-/TIM1_PWM_CH3N: U1#4.36 U5#3.42
Board_2-/USART2_RX: J4#5.3 U1#4.17
Board_2-/USART2_TX: J4#5.4 U1#4.16
Board_2-GND: C1.2 C2#4.2 C3#6.2 C4#3.2 C5#3.2 C6#5.2 C7#3.2 C8.2 C9.1 C12#2.1 C14#2.2 C16.2 C20#5.2 C21.2 C22#6.2 C23#5.2 C24#3.2 C25#6.2 C26.2 C29#6.2 C30#5.2 C31#3.2 C32#2.2 C33#5.2 C34.2 C35#6.2 D3#4.2 H8#2.1 J1#2.2 J1#2.7 J4#5.2 J4#5.5 Q12#4.1 Q12#4.2 Q12#4.3 R1#5.1 R2.2 R3#2.2 R6#5.2 R14.2 R18#5.2 R19#4.2 TV1#5.2 U1#4.18 U1#4.31 U1#4.47 U1#4.63 U2#5.3 U2#5.5 U2#5.7 U3#3.2 U3#3.9 U5#3.2 U5#3.12 U5#3.13 U5#3.21 U5#3.22 U5#3.27 U5#3.35 U5#3.43 U5#3.49 X1#3.2
Board_2-Net-(D1-K): D1.1 R9#6.1
Board_2-Net-(D2-K): D2.1 R11#5.1
Board_2-Net-(U1-BOOT0): R1#5.2 U1#4.60
Board_2-Net-(U1-PB2): R3#2.1 U1#4.28
Board_2-Net-(U1-VCAP_1): C1.1 U1#4.30
Board_2-Net-(U1-VSSA): R2.1 U1#4.12
Board_2-Net-(U5-CPH): C27#4.2 U5#3.4
Board_2-Net-(U5-CPL): C27#4.1 U5#3.3
Board_2-Net-(U5-DVDD): C31#3.1 U5#3.36
Board_2-Net-(U5-VCP): C28#2.2 U5#3.5
Board_2-unconnected-(H1-Pad1): H1.1
Board_2-unconnected-(H2-Pad1): H2#6.1
Board_2-unconnected-(H3-Pad1): H3#4.1
Board_2-unconnected-(H4-Pad1): H4#4.1
Board_2-unconnected-(U1-PA0-Pad14): U1#4.14
Board_2-unconnected-(U1-PA1-Pad15): U1#4.15
Board_2-unconnected-(U1-PA11-Pad44): U1#4.44
Board_2-unconnected-(U1-PA12-Pad45): U1#4.45
Board_2-unconnected-(U1-PB7-Pad59): U1#4.59
Board_2-unconnected-(U1-PB10-Pad29): U1#4.29
Board_2-unconnected-(U1-PC0-Pad8): U1#4.8
Board_2-unconnected-(U1-PC1-Pad9): U1#4.9
Board_2-unconnected-(U1-PC2-Pad10): U1#4.10
Board_2-unconnected-(U1-PC3-Pad11): U1#4.11
Board_2-unconnected-(U1-PC4-Pad24): U1#4.24
Board_2-unconnected-(U1-PC5-Pad25): U1#4.25
Board_2-unconnected-(U1-PC13-Pad2): U1#4.2
Board_2-unconnected-(U1-PC14-Pad3): U1#4.3
Board_2-unconnected-(U1-PC15-Pad4): U1#4.4
Board_2-unconnected-(U5-NC-Pad46): U5#3.46
Board_2-unconnected-(U5-nSHDN-Pad48): U5#3.48
Board_2-unconnected-(U5-SOC-Pad23): U5#3.23
Board_3-+3.3V: C2#3.1 C3#5.1 C4#2.1 C5#6.1 C6#6.1 C9#2.2 C32#5.1 C34#3.1 C35#5.1 D1#3.2 D2#3.2 J1#5.1 J1#5.6 J4#2.1 L1#6.1 R5#2.2 R10#6.1 R16#4.1 R17#4.1 U1.1 U1.19 U1.32 U1.48 U1.64 U2#2.1 U2#2.2 U3#5.5 U5#5.26
Board_3-+3.3VA: C8#4.1 L1#6.2 U1.13
Board_3-+5V: C7#6.1 C12#6.2 C16#5.1 L2#3.2 R13#4.1 U2#2.4 U2#2.6 U3#5.3
Board_3-+36V: C20#4.1 C21#5.1 C22.1 C23#6.1 C24#6.1 C25.1 C26#3.1 C28.1 C29#3.1 C30#4.1 C33#2.1 H9.1 Q7#6.5 Q7#6.6 Q7#6.7 Q7#6.8 Q7#6.9 Q9.5 Q9.6 Q9.7 Q9.8 Q9.9 Q11#5.5 Q11#5.6 Q11#5.7 Q11#5.8 Q11#5.9 TV1.1 U5#5.6 U5#5.7 U5#5.47